# KiCad board raven.kicad_pcb (continued)
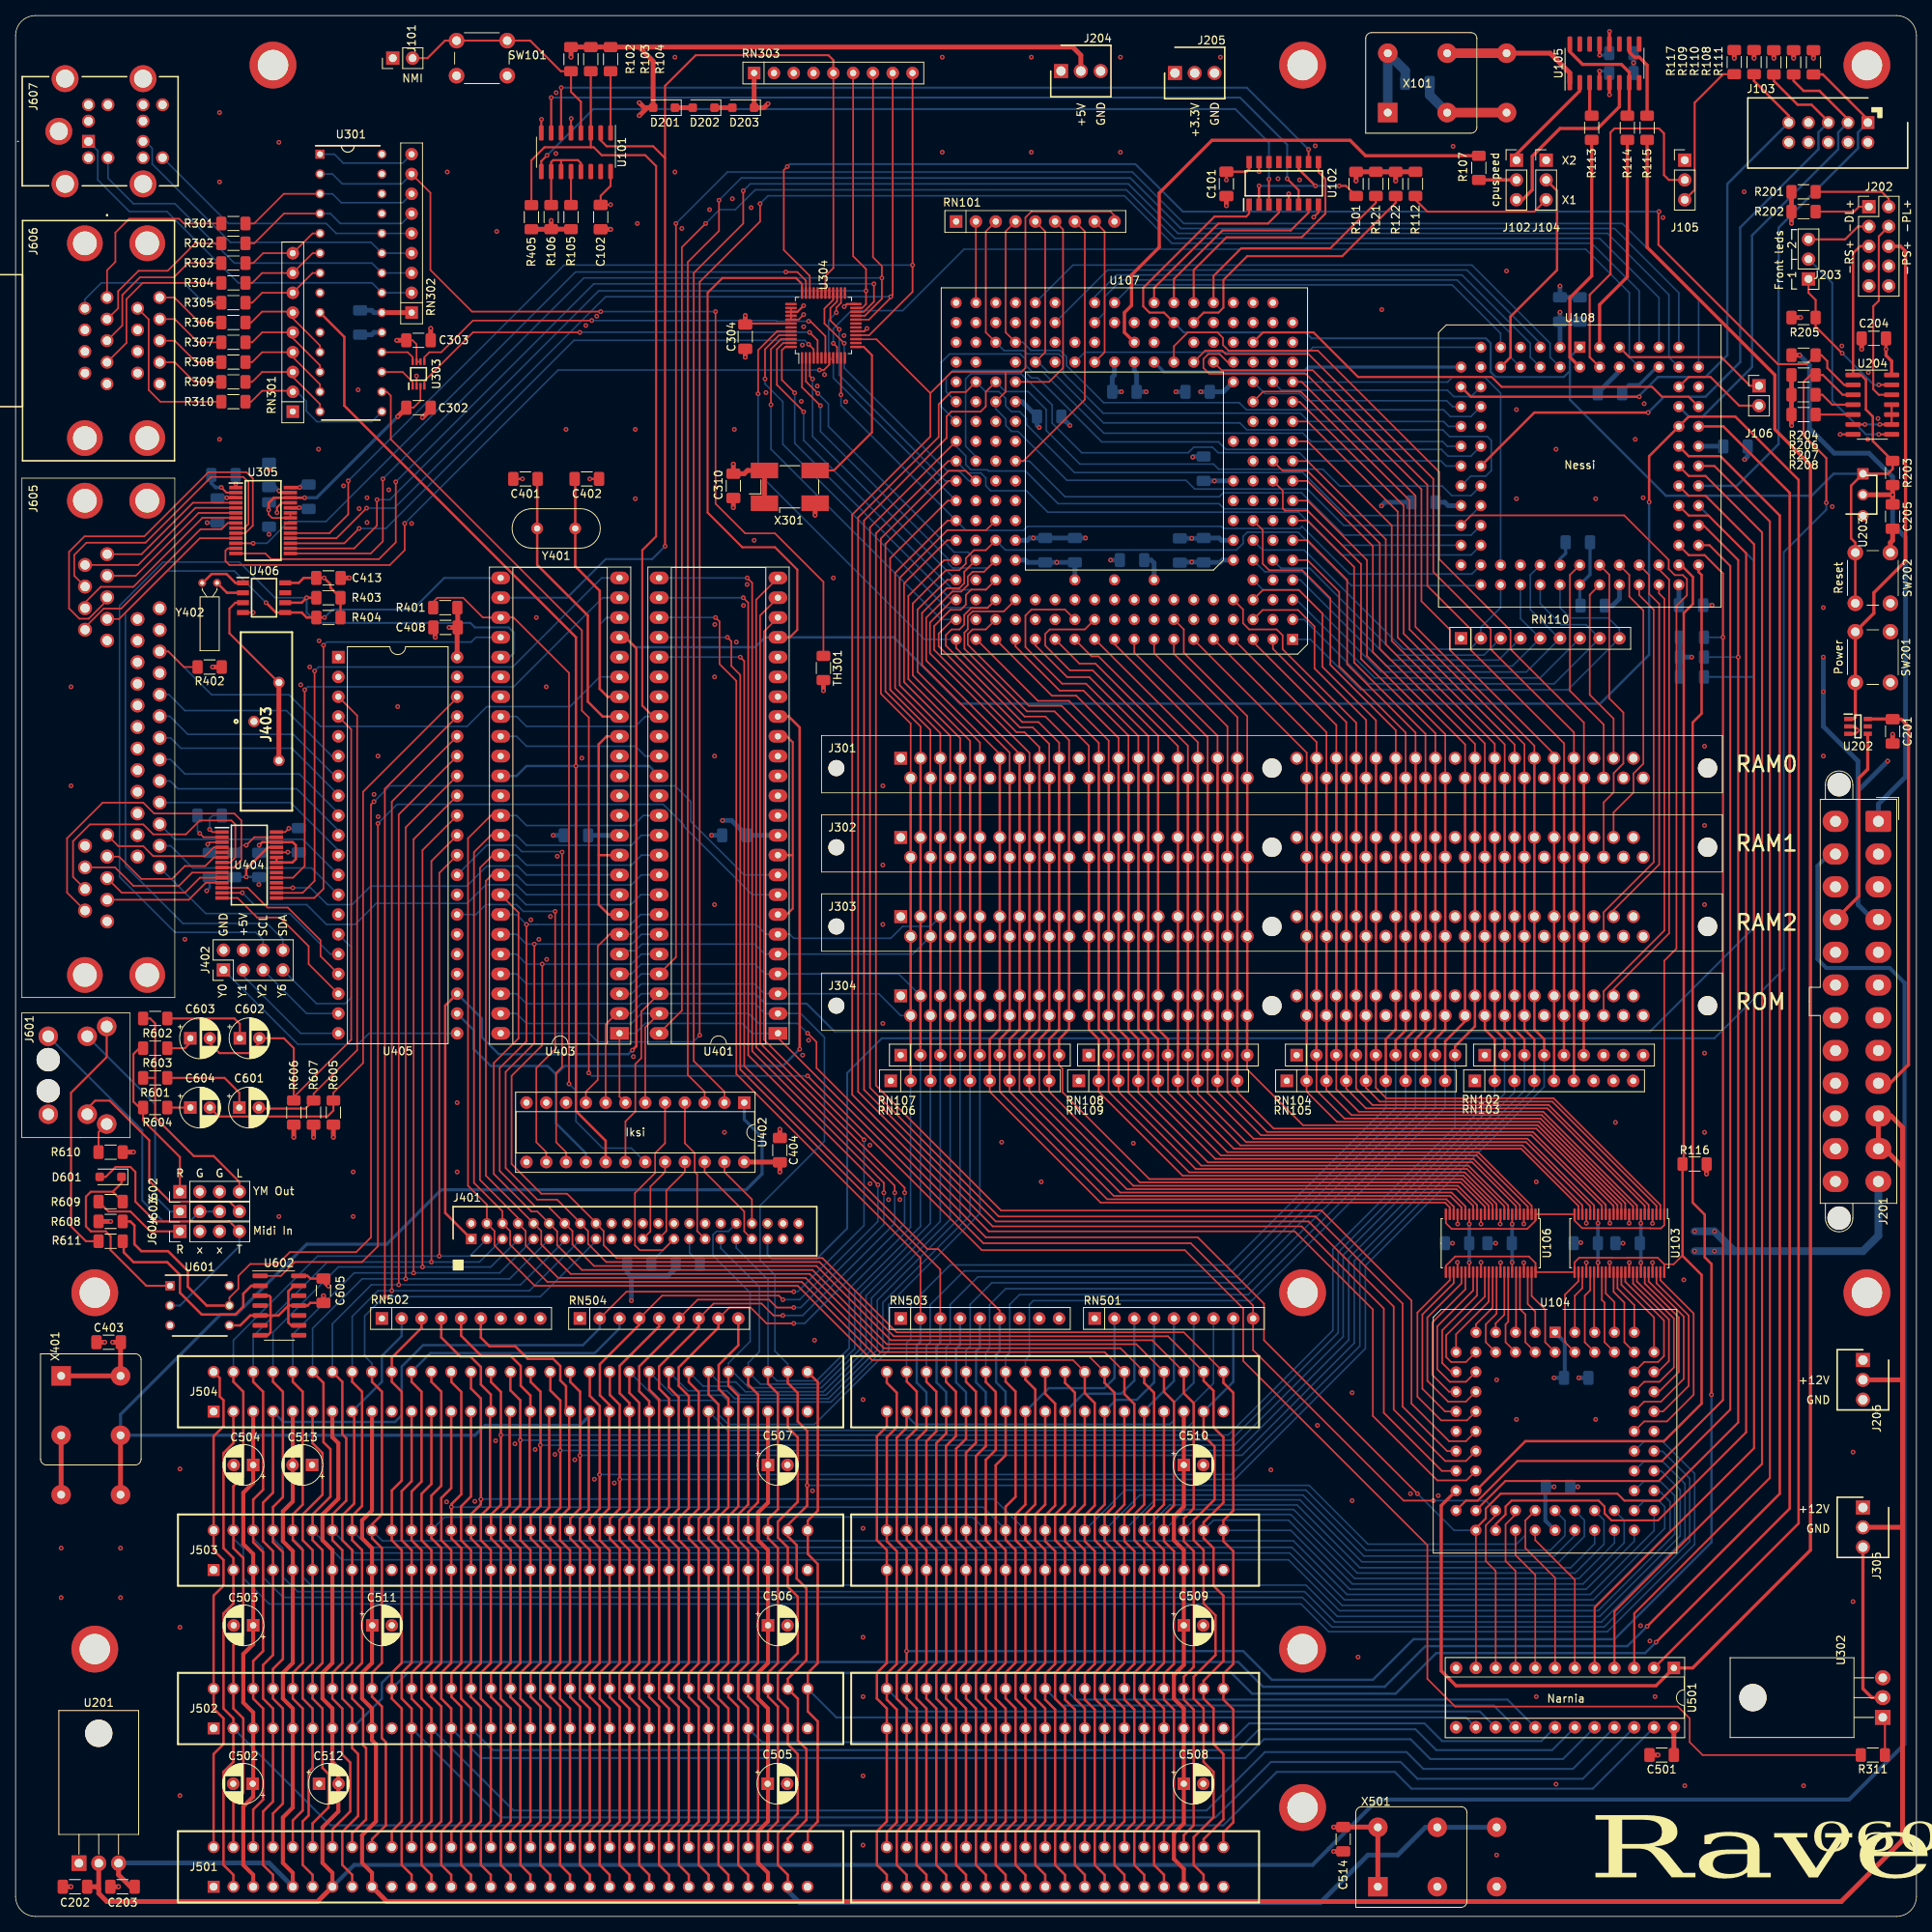
[diagram p0: board, top side]
## Routing (per net, layer and track width the routed paths; a pad name or vN(x,y) marks a point on that pad's centre or on a via; arc(x,y) is an arc through that point) (continued)
PD27: length 368
  Top w0.203: U405.34 50.04,139.7 v1(50.04,81.79)
  Top w0.305: J501.37 38.1,11.94 40.13,13.97 40.13,18.29 39.37,19.05 39.37,26.67 38.1,27.94 J502.37 38.1,31.24 39.37,32.51 39.37,46.99 38.1,48.26 38.1,51.56 40.39,53.85 40.39,59.94 39.5,60.83 39.5,68.45 J504.37
  Bottom w0.203: 207.64,54.58 208.86,55.8 211,55.8 212.83,53.98 212.83,49.02 203.02,39.22 169.82,39.22 163.3,45.75 41.86,45.75 38.1,49.5 ; J504.37 38.1,75.44 44.45,81.79 63.37,81.79 68.45,86.87 J401.11
PD28: length 368.3
  Top w0.203: v1(51.05,82.55) 51.05,138.18 U405.33
  Top w0.305: J504.36 35.56,68.58 36.83,67.31 36.83,52.83 35.56,51.56 35.56,48.26 36.83,46.99 36.83,32.51 35.56,31.24 J502.36 35.56,27.94 36.83,26.67 36.83,13.59 35.56,12.32 J501.36
  Bottom w0.203: J401.9 62.1,82.55 43.43,82.55 35.56,74.68 J504.36 ; J503.36 35.56,48.49 36.8,47.24 36.8,43.59 37.9,42.49 165.53,42.49 169.54,38.48 203.2,38.48 213.54,48.82 213.54,54.71 211.12,57.12 210.19,57.12
PD29: length 373.8
  Top w0.203: U405.32 52.2,136.78 v1(52.2,83.31)
  Top w0.305: J501.35 33.02,13.21 34.29,14.48 34.29,26.67 33.02,27.94 J502.35 33.02,31.75 34.29,33.02 34.29,46.74 33.02,48.01 33.02,52.51 34.29,53.78 34.29,67.31 33.02,68.58 J504.35
  Bottom w0.203: J504.35 33.02,74.93 41.4,83.31 60.96,83.31 64.45,86.81 J401.7 ; J503.35 33.02,48.46 34.26,47.22 34.26,43.56 36.17,41.66 165.35,41.66 169.24,37.77 203.45,37.77 214.15,48.46 214.15,55.5 211.3,58.34 208.86,58.34 207.64,57.12
PD30: length 372.8
  Top w0.203: U405.31 53.34,135.38 v1(53.34,83.95)
  Top w0.305: J504.34 30.48,68.58 31.75,67.31 31.75,54.74 30.48,53.47 30.48,48.01 31.75,46.74 31.75,34.04 30.48,32.77 J502.34 30.48,27.94 31.75,26.67 31.75,14.99 30.48,13.72 J501.34
  Bottom w0.203: J401.5 59.5,83.95 40.01,83.95 30.48,74.42 J504.34 ; J503.34 30.48,48.46 31.75,47.19 31.75,43.51 34.34,40.92 165.07,40.92 168.86,37.13 203.78,37.13 214.76,48.11 214.76,56.18 211.28,59.66 210.19,59.66
PD31: length 377.8
  Top w0.203: v1(54.36,84.71) 54.36,133.86 U405.30
  Top w0.305: J504.33 27.94,68.58 29.21,67.31 29.21,56.45 27.94,55.18 27.94,47.24 29.21,45.97 29.21,36.07 27.94,34.8 J502.33 27.94,26.67 29.21,25.4 29.21,15.86 27.94,14.59 J501.33
  Bottom w0.203: J401.3 58.26,84.71 38.74,84.71 27.94,73.91 J504.33 ; J503.33 27.94,48.49 29.21,47.22 29.21,43.41 32.54,40.08 164.9,40.08 168.45,36.53 204.19,36.53 215.39,47.73 215.39,56.81 211.26,60.93 208.91,60.93 207.64,59.66
PS2K:CLK: length 46.6
  Bottom w0.203: RN302.3 U301.22 45.72,212.09 28.07,212.09 20.45,219.71 15.11,219.71 11.85,222.97 J607.A6
PS2K:DTA: length 51.7
  Bottom w0.203: J607.A1 10.54,226.51 10.54,222.77 14.62,218.69 19.43,218.69 28.58,209.55 45.72,209.55 U301.21 RN302.2
PS2M:CLK: length 36
  Bottom w0.203: J607.B6 18.88,225.6 27.3,217.17 39.85,217.17 41.12,215.9 U301.24 RN302.5
PS2M:DTA: length 41.6
  Bottom w0.203: J607.B1 16.65,227.7 17.53,226.82 17.53,224.79 27.56,214.76 45.59,214.76 U301.23 RN302.4
PWR_LED: length 170.4
  Top w0.203: v1(99,224.47) 98.55,224.03 98.55,213.77 101.88,210.44 U304.34
  Top w0.254: 235.72,196.47 234.57,196.47 232.41,198.63 232.41,199.52 231.65,200.28 R204.1 229.76,199.12 226.07,199.12 210.75,214.45 210.75,218.62 v1(210.82,218.69)
  Bottom w0.254: v1(99,224.47) 99.31,224.79 143.64,224.79 149.73,218.69 v1(210.82,218.69)
R~{W}: length 482.6
  Top w0.203: 117.35,195.4 117.35,189.84 107.31,179.81 107.31,105.41 124.84,87.88 164.08,87.88 174.12,77.85 174.12,64.2 182.38,55.93 186.11,55.93 U104.23 ; 117.35,195.4 120.09,198.15 127,198.15 ; 117.35,195.4 110.44,202.31 107.82,202.31 U304.15 ; U106.24 183.48,88.94 184.22,88.19 188.24,88.19 188.26,88.21 190.17,88.21 190.19,88.19 193.91,88.19 194.98,89.26 U106.1 U103.24 199.99,89.26 200.96,88.29 209.7,88.29 209.72,88.27 211.08,88.27 211.49,88.68 U103.1 211.49,122.59 213.06,124.16 213.06,168.12 214.4,169.47 214.4,171.55 213.89,172.06 212.85,172.06 212.06,172.85 212.06,174.02 206.35,179.73 186.72,179.73 U108.28 ; RN101.9 140.97,218.19 140.46,218.69 130.3,218.69 129.54,217.93 129.54,198.63 129.06,198.15 127,198.15 ; 127,198.15 127,195.58 U107.N16
  Bottom w0.203: U107.N16 125.73,193.4 127.03,192.1 127.03,191.24 127.76,190.5 128.59,190.5 134.86,184.23 150.14,184.23 151.26,183.11 165.71,183.11 170.38,178.44 U108.28
SIZ0: length 276.5
  Top w0.203: U107.P17 121.89,195.55 119.99,195.55 118.41,193.98 118.41,189.79 108.08,179.45 108.08,105.79 125.35,88.52 164.97,88.52 175.51,77.98 175.51,64.61 182.97,57.15 U104.22
  Bottom w0.203: U107.P17 124.43,195.61 126.14,195.61 127,194.74 127,193.78 127.74,193.04 128.78,193.04 129.67,192.15 129.67,191.39 135.84,185.22 165.13,185.22 170.64,179.71 186.69,179.71 U108.27
SIZ1: length 276.8
  Top w0.203: U107.P16 124.46,195.58 124.46,193.7 123.8,193.04 120.04,193.04 119.43,192.43 119.43,189.66 108.84,179.07 108.84,106.05 125.73,89.15 165.86,89.15 176.78,78.23 176.78,65.02 183.39,58.42 186.05,58.42 U104.21
  Bottom w0.203: U108.25 186.72,182.27 184.23,182.27 183.01,183.49 169.85,183.49 167.69,185.65 154.33,185.65 153.67,186.31 136.53,186.31 132.21,190.63 132.21,193.29 129.9,195.61 126.97,195.61 U107.P16
TM0: length 77.7
  Bottom w0.203: U107.N18 119.38,195.58 119.38,197.46 120.24,198.32 129.34,198.32 130.3,197.36 131.13,197.36 139.33,189.15 154.3,189.15 155.27,188.19 182.91,188.19 183.77,187.33 186.69,187.33 U108.21
TM1: length 80.8
  Bottom w0.203: U107.M18 118.75,193.68 118.75,199.36 119.81,200.43 128.88,200.43 129.57,199.75 129.57,198.98 130.4,198.15 131.74,198.15 139.61,190.27 165.13,190.27 166.19,189.2 183.06,189.2 183.67,188.6 U108.20
TM2: length 81.8
  Bottom w0.203: U107.K17 123.19,187.27 121.87,188.6 121.87,197.23 122.53,197.89 128.98,197.89 132.97,193.9 132.97,191.56 136.77,187.76 150.42,187.76 151.13,188.47 153.54,188.47 154.25,187.76 164.69,187.76 165.73,186.72 182.83,186.72 183.49,186.06 U108.22
TT0: length 28
  Bottom w0.203: U108.16 184.35,193.68 183.59,194.44 165.61,194.44 164.69,195.35 160.25,195.35 U107.P03
TT1: length 28
  Bottom w0.203: U107.P02 162.36,195.78 183.67,195.78 184.48,194.97 186.72,194.97 U108.15
YM:CHA: length 62.6
  Top w0.203: U405.3 43.82,154.05 43.82,111.13 38.23,105.54 R607.1
  Top w0.254: R607.1 37.18,103.63 31.33,103.63 C601.2
YM:CHB: length 73.3
  Top w0.203: R606.1 35.69,105.11 43.05,112.47 43.05,152.27 U405.4
  Top w0.254: R606.1 35.69,111.38 34.42,112.65 C602.2 31.27,112.04 29.97,110.74 26.16,110.74 24.92,111.99 C603.2
YM:CHC: length 76.3
  Top w0.203: R605.1 40.77,105.66 44.58,109.47 44.58,144.27 56.64,156.34 U405.38
  Top w0.254: C604.2 26.06,102.62 40.01,102.62 40.77,103.38 R605.1
~{AVEC}: length 65
  Bottom w0.203: U107.T11 138.43,207.77 141.22,210.57 185.55,210.57 194.31,201.8 194.31,200.03 U108.6
~{BB}: length 10.4
  Top w0.203: RN101.2 U107.T17
~{BGR}: length 19.1
  Top w0.203: U107.Q11 139.7,200.66 139.7,216.15 RN101.8
~{BS0}: length 123
  Top w0.203: U107.Q04 155.47,199.39 154.43,200.43 153.01,200.43 152.37,199.8 152.37,198.65 153.14,197.89 165.52,197.89 180.34,183.07 180.34,168.72 184.02,165.04 184.02,162.43 197.37,149.09 J301.63
  Top w0.305: RN103.5 197.37,107.2 J304.63 J301.63
~{BS1}: length 114.4
  Top w0.203: U107.Q05 154.71,198.35 166.4,198.35 181.1,183.64 181.1,170.69 186.69,165.1 186.69,162.43 198.64,150.48 J301.64
  Top w0.305: J301.64 J304.64 198.63,115.55 RN102.5
~{BS2}: length 122.9
  Top w0.203: U107.Q06 152.6,200.86 154.79,200.86 155.22,200.43 165.84,200.43 181.86,184.4 181.86,172.47 189.23,165.1 189.23,162.56 199.91,151.88 J301.65
  Top w0.305: J301.65 J304.65 199.91,107.2 RN103.6
~{BS3}: length 127.3
  Top w0.203: J301.66 201.18,153.15 191.77,162.56 191.77,164.97 182.63,174.12 182.63,185.29 167.06,200.86 155.6,200.86 154.89,201.57 154.89,202.49 154.18,203.2 150.37,203.2 148.59,201.42 U107.Q07
  Top w0.305: J301.66 J304.66 201.17,115.55 RN102.6
~{CDIS}: length 29
  Top w0.254: U107.T05 153.67,210.44 157.23,214 168.66,214 174.5,219.84 R121.2
~{CLA}: length 100.1
  Top w0.203: RN101.7 137.16,216.15 137.16,194.57 129.28,186.69 U107.K15
  Bottom w0.203: U108.29 186.72,177.19 170.38,177.19 164.95,182.63 154.92,182.63 154.41,182.12 134.62,182.12 130.05,186.69 U107.K15
~{CLKEN}: length 40.2
  Bottom w0.406: U108.12 165.86,198.76 165.23,198.12 147.32,198.12 U107.Q08
~{CPUX2}: length 27.6
  Top w0.305: J104.2 197.74,221.36 197.74,211.2 191.77,205.23 191.77,200.03 U108.10
~{DTACK}: length 256.1
  Top w0.203: U401.46 82.55,118.36 80.26,116.08 80.26,110.11 79.5,109.35 79.5,103.25 78.23,101.98 U402.18
  Bottom w0.203: U401.46 80.27,118.36 78.99,117.08 65.54,117.08 64.26,118.36 U403.46
  Bottom w0.254: 222.96,159 222.96,173.91 U108.60 ; 222.96,159 R120.2 ; 222.96,159 222.96,126.82 209.68,113.54 105.03,113.54 101.47,117.09 96.16,117.09 94.89,118.36 U401.46
~{HDD0_LED}: length 246.3
  Top w0.254: v1(232.28,181.36) 232.28,187.07 229.36,189.99 229.36,196.85 230.25,197.74 R206.1 231.84,197.74 234.38,195.2 235.72,195.2
  Bottom w0.254: J401.39 96.45,84.9 97.03,84.33 102.74,84.33 106.68,88.27 106.68,108.2 111.12,112.65 217.93,112.65 226.82,121.54 226.82,175.01 232.28,180.47 v1(232.28,181.36)
~{HDD1_LED}: length 5.3
  Top w0.254: R207.1 231.78,195.2 233.04,193.93 235.72,193.93
~{HDD2_LED}: length 4.8
  Top w0.254: R208.1 235.72,192.66
~{IACK}: length 267.9
  Top w0.203: v1(84.71,217.17) 84.71,123.06 U401.45
  Bottom w0.203: U108.74 215.9,207.39 206.12,217.17 149.86,217.17 143.26,223.77 91.31,223.77 v1(84.71,217.17) ; U401.45 80.27,120.9 78.99,119.62 65.54,119.62 64.26,120.9 U403.45
~{IDECS}: length 255.7
  Top w0.203: U402.3 88.39,105.79 86.23,107.95 86.23,212.22 90.23,216.22 v1(90.23,220.15)
  Bottom w0.203: v1(90.23,220.15) 93.09,223.01 143,223.01 149.48,216.54 205.1,216.54 213.36,208.28 U108.75
~{IPL0}: length 22.9
  Top w0.254: U107.T08 146.05,208.92 154.3,217.17 160.66,217.17 162.05,218.57 U102.4
~{IPL1}: length 24.9
  Top w0.254: U102.7 165.86,218.57 163.58,216.28 154.81,216.28 148.59,210.06 U107.T07
~{IPL2}: length 31.1
  Top w0.254: U107.T06 151.13,211.2 155.32,215.39 164.97,215.39 168.02,218.44 168.02,222.89 167.13,223.77 U102.9
~{IPLREQ0}: length 107.2
  Top w0.254: U101.9 67.44,225.17 v1(68.17,225.91) ; U102.3 v1(160.78,222.86)
  Bottom w0.254: v1(68.17,225.91) 74.12,231.85 156.46,231.85 160.78,227.53 v1(160.78,222.86)
~{IPLREQ1}: length 109.7
  Top w0.254: U102.6 164.59,221.44 v1(163.12,222.91) ; v1(68.71,233.32) U101.7
  Bottom w0.254: v1(163.12,222.91) 163.12,227.28 157.07,233.32 v1(68.71,233.32)
~{IPLREQ2}: length 106.6
  Top w0.254: v1(70,234.59) 69.98,234.57 U101.6 ; U102.10 v1(165.86,226.67)
  Bottom w0.254: v1(70,234.59) 157.94,234.59 v1(165.86,226.67)
~{IRQ_HDD}: length 91.3
  Top w0.203: R401.2 53.57,168.63 54.1,169.16 57.4,169.16 59.94,166.62 U403.27 63.88,166.62 70.99,159.51 v1(70.99,106.81)
  Bottom w0.203: v1(70.99,106.81) 71.88,105.92 71.88,101.98 75.31,98.55 78.99,98.55 U402.19
~{IRQ_MFP}: length 127.2
  Top w0.254: 73.79,226.95 U101.3 R103.2 ; 73.79,226.95 67.85,226.95 66.17,225.27 66.17,219.61 ; 73.79,226.95 74.17,226.95 75.18,225.93 80.77,225.93 82.17,224.54 82.17,177.04 80.39,175.26 80.39,155.32 81.79,153.92 U401.32
  Bottom w0.203: U401.32 80.77,153.92 79.5,152.65 65.53,152.65 64.26,153.92 U403.32
~{IRQ_UART}: length 146.8
  Top w0.203: U304.30 103.88,210.44 104.9,211.46 RN303.5
  Top w0.254: U101.2 75.06,227.84 75.82,227.08 81.79,227.08 83.31,225.55 ; RN303.5 104.9,238.13 104.27,238.76 87.25,238.76 83.31,234.82 v1(83.31,175.77)
  Bottom w0.254: v1(83.31,175.77) 81.66,174.12 75.69,174.12 70.74,169.16 U403.26
~{ISA8}: length 165.4
  Top w0.254: U108.63 214.63,182.25 216.79,182.25 223.01,176.02 223.01,60.07 202.56,39.62 U501.5
~{ISACS}: length 167.7
  Top w0.254: U501.4 205.1,39.12 224.03,58.04 224.03,177.55 216.79,184.79 214.63,184.79 U108.65
~{ISAIO}: length 166.4
  Top w0.254: U108.64 217.93,186.06 225.04,178.94 225.04,56.26 207.64,38.86 U501.3
~{MDIS}: length 35.2
  Top w0.254: U107.S06 152.4,205.74 154.3,205.74 154.94,206.38 154.94,209.93 157.99,212.98 170.18,212.98 177.04,219.84 R122.2
~{MFP1CS}: length 261.7
  Top w0.203: v1(87.76,113.03) 87.76,209.68 95.5,217.42 v1(95.5,219.71)
  Bottom w0.203: U403.48 73.6,113.28 74.7,112.18 86.91,112.18 v1(87.76,113.03) ; U108.79 208.28,208.53 202.18,214.63 148.34,214.63 142.24,220.73 96.52,220.73 v1(95.5,219.71)
~{MFP2CS}: length 242.5
  Top w0.203: U401.48 85.47,116.2 85.47,214.12 v1(88.52,217.17)
  Bottom w0.203: U108.77 210.82,207.65 203.2,215.27 148.72,215.27 142.49,221.49 94.87,221.49 92.33,218.95 90.3,218.95 v1(88.52,217.17)
~{OPT1}: length 47.3
  Top w0.254: U108.84 201.93,200.03 201.93,208.03 204.6,210.69 204.6,228.85 205.1,229.36 210.82,229.36 211.45,228.73 211.45,223.39 212.09,222.76 J105.2
~{RB0RD}: length 29.6
  Top w0.203: J301.68 203.72,152.9 199.39,157.23 199.39,172.09 U108.44
~{RB0WR}: length 24
  Top w0.203: U108.45 201.93,169.55 201.93,156.72 204.99,153.66 J301.69
~{RB1RD}: length 39.8
  Top w0.203: U108.46 204.44,172.11 204.44,156.24 206.25,154.43 206.25,147.9 205,146.66 205,144.2 203.72,142.91 J302.68
~{RB1WR}: length 37.8
  Top w0.203: U108.48 207.01,172.09 207.01,169.32 208.81,167.51 208.81,147.88 207.54,146.61 207.54,144.17 204.99,141.62 J302.69
~{RB2RD}: length 48.5
  Top w0.203: U108.49 208.28,169.49 210.13,167.64 210.13,135.23 203.72,128.82 J303.68
~{RB2WR}: length 48.6
  Top w0.203: J303.69 204.99,129.1 210.85,134.95 210.85,168.38 209.55,169.67 209.55,172.09 U108.50
~{RB3RD}: length 58.8
  Top w0.203: U108.51 210.82,169.72 211.51,169.04 211.51,126.47 203.72,118.68 J304.68
~{RB3WR}: length 58.7
  Top w0.203: U108.52 210.82,172.8 212.12,171.5 212.12,126.11 204.99,118.99 J304.69
~{RESET}: length 532.5
  Top w0.254: U304.36 100.88,209.4 100.1,210.19 90.68,210.19 88.77,208.28 88.77,180.09 93.22,175.64 97.41,175.64 100.28,172.77 100.28,165.05 99.31,164.08 U401.21
  Top w0.305: U403.21 78.23,164.08 79.63,162.69 79.63,111.63 v1(79.12,111.13) ; v1(209.55,181.43) 209.55,187.33 U108.69 214.63,192.41 220.6,192.41 228.73,184.28 228.73,50.42 U501.2 ; J401.1 55.12,90.24 55.12,116.84 U405.23
  Bottom w0.305: v1(209.55,181.43) 209.55,161.85 203.28,155.58 121.16,155.58 112.65,164.08 U401.21 96.14,164.08 94.87,162.81 79.5,162.81 78.23,164.08 U403.21 ; v1(79.12,111.13) 78.61,110.62 61.98,110.62 59.82,112.78 59.82,115.19 U405.23
~{RSTI}: length 188.3
  Top w0.254: U102.1 158.24,218.44 157.86,218.06 153.8,218.06 144.65,208.92 144.65,206.55 145.46,205.74 147.32,205.74 U107.S07 ; 235.43,175.52 SW202.1
  Top w0.305: J202.5 236.6,214.25 235.72,213.36 235.72,197.74 236.73,197.74 237.36,197.1 237.36,193.29 238.25,192.41 238.25,189.26 R203.2 240.79,185.67 240.18,185.06 U203.1 235.46,183.54 235.46,176.78 236,176.24 SW202.1 SW202.1
  Bottom w0.254: U107.S07 149.86,203.2 165.48,203.2 166.24,202.44 188.59,202.44 189.23,201.8 189.23,198.12 189.86,197.49 198.63,197.49 199.39,198.25
  Bottom w0.305: U108.1 199.39,200.03 199.39,194.56 211.71,182.25 230.4,182.25 233.22,185.06 U203.1
~{RSTO}: length 61.6
  Top w0.254: U107.R03 160.02,203.2 166.5,203.2 172.21,197.49 189.36,197.49 190.63,196.22 209.93,196.22 211.2,194.95 214.63,194.95 U108.70
~{SAS}: length 90.3
  Top w0.203: U107.Q14 132.08,200.66 132.08,216.15 RN101.5
  Bottom w0.203: U107.Q14 131.19,199.39 132.59,197.99 133.16,197.99 139.56,191.59 157.05,191.59 157.94,190.7 183.08,190.7 183.95,189.84 188.8,189.84 189.31,189.33 189.31,185.47 188.59,184.76 186.66,184.76 U108.24
~{SNOOP}: length 26
  Top w0.203: U107.P15 132.59,196.85 134.37,198.63 134.37,216.41 RN101.6
~{TA}: length 75.8
  Bottom w0.203: U107.T14 135.64,211.84 186.82,211.84 196.85,201.8 196.85,200.03 U108.4
~{TBI}: length 64.5
  Bottom w0.203: U108.8 191.77,200.03 191.77,203.07 184.91,209.93 141.86,209.93 139.7,207.77 139.7,205.74 U107.S11
~{TCI}: length 54.8
  Bottom w0.203: U108.9 190.5,203.07 184.28,209.3 143.26,209.3 U107.T10
~{TEA}: length 69.4
  Bottom w0.203: U107.S13 140.08,211.2 186.18,211.2 195.58,201.8 U108.5
~{TIP}: length 81.4
  Top w0.203: U107.R15 127,203.2 127,216.15 RN101.4
  Bottom w0.203: U108.17 186.69,192.41 184.05,192.41 183.18,193.27 157.89,193.27 156.97,194.18 139.57,194.18 134.82,198.93 134.82,200.05 133.99,200.89 130.25,200.89 129.21,201.93 U107.R15
~{TRA}: length 52.9
  Bottom w0.203: U107.Q12 137.16,200.66 165.8,200.66 166.43,201.3 U108.11
~{TS}: length 81.8
  Top w0.203: U107.R16 124.46,203.2 124.46,216.15 RN101.3
  Bottom w0.203: U108.18 183.82,191.14 183.18,191.77 165.89,191.77 164.82,192.84 139.52,192.84 134.39,197.97 134.39,199.87 133.83,200.43 129.77,200.43 129.34,200.86 126.8,200.86 U107.R16
~{UART_CS}: length 122.6
  Top w0.203: U304.10 105.38,201.32 v1(104.9,201.8)
  Bottom w0.203: U108.80 207.01,200.03 207.01,208.28 201.42,213.87 121.67,213.87 113.79,205.99 107.22,205.99 104.9,203.67 v1(104.9,201.8)
~{YMCS}: length 256
  Top w0.203: v1(93.34,221.36) 93.34,217.17 87,210.82 87,109.73 90.93,105.79 U402.2
  Bottom w0.203: v1(93.34,221.36) 94.23,222.25 142.75,222.25 149.1,215.9 204.22,215.9 212.09,208.03 212.09,200.03 U108.76
Net-(C601-Pad1): length 11.9
  Top w0.254: C601.1 28.7,105.66 26.8,107.57 R601.2
Net-(C602-Pad1): length 11.4
  Top w0.254: R602.2 28.07,115.19 28.77,114.49 C602.1
Net-(C603-Pad1): length 3.8
  Top w0.254: R603.2 21.72,111.38 22.42,112.08 C603.1
Net-(C604-Pad1): length 3
  Top w0.254: R604.2 C604.1
Net-(D201-K): length 2.3
  Top w0.61: D201.1 D202.2
Net-(D202-K): length 2.3
  Top w0.61: D202.1 D203.2
Net-(D601-K): length 26.8
  Top w0.254: 12.47,92.96 R609.2 ; 12.47,92.96 9.65,92.96 9.02,92.33 9.02,88.52 9.65,87.88 11.56,87.88 12.19,87.25 12.19,85.47 16.76,80.9 U601.1 ; 12.47,92.96 13.59,94.08 D601.1 13.46,94.87
Net-(J101-Pin_2): length 31.4
  Top w0.254: U101.4 72.52,232.79 71.25,234.06 R102.2 69.94,236.7 66.01,240.63 56.57,240.63 ; 56.53,240.67 56.57,240.63 ; 56.57,240.63 55.08,240.63 52.83,238.38 J101.2
Net-(J102-Pin_2): length 4.8
  Top w0.406: R107.2 J102.2
Net-(J104-Pin_3): length 18.5
  Top w0.254: J104.3 194.82,218.69 181.1,218.69 179.58,220.22 R112.2
Net-(J105-Pin_3): length 19.6
  Top w0.254: R117.2 219.05,236.32 215.39,232.66 215.39,221.49 J105.3
Net-(J106-Pin_1): length 20
  Top w0.254: J106.1 222.5,196.35 218.82,200.03 207.01,200.03 U108.81
Net-(J106-Pin_2): length 12.3
  Top w0.254: J106.2 221.1,193.81 217.42,197.49 214.63,197.49 U108.73
Net-(J201-PS_ON#): length 25.5
  Top w0.406: U202.4 237.6,147.17 236.47,146.05 236.47,130.89 J201.16
Net-(J203-Pin_1): length 19.3
  Top w0.254: v1(234.31,200.53) 230.91,203.94 R205.1 230.91,207.37 230,208.28 J203.1 ; U204.13 v1(239.01,196.47)
  Bottom w0.254: v1(234.31,200.53) 238.38,196.47 v1(239.01,196.47)
Net-(J203-Pin_2): length 28.8
  Top w0.254: U204.8 v1(239.01,190.12)
  Bottom w0.254: J203.2 233.04,209.55 233.04,194.44 237.36,190.12 v1(239.01,190.12)
Net-(J401-/DMACK): length 3.8
  Bottom w0.203: J401.29 86.45,85.12 87.86,83.72 87.86,83.69
Net-(J601-RB): length 28.1
  Bottom w0.254: J603.1 19.81,90.42 17.91,92.33 17.91,104.19 J601.2B
Net-(J601-SB): length 37.6
  Bottom w0.254: J601.1B 16.26,100.84 16.26,91.82 18.92,89.15 22.35,89.15 J603.2 J603.3
Net-(J601-TB): length 29.6
  Top w0.254: J601.5B 9.19,103.63 10.21,104.65 12.06,104.65 17.15,99.57 17.15,94.36 19.81,91.69 27.43,91.69 J603.4
Net-(R611-Pad1): length 26
  Top w0.305: 31.31,80.9 30.23,80.9 29.21,79.88 29.21,78.23 28.19,77.22 23.88,77.22 21.08,80.01 21.08,82.3 19.46,83.92 15.14,83.92 13.87,85.19 13.87,86.61
Net-(RN301A-R1.2): length 21
  Top w0.203: R310.2 30.23,194.31 31.62,195.71 35.43,195.71 RN301.2
  Bottom w0.203: RN301.2 36.07,195.58 37.29,194.36 37.29,193.12 38.66,191.74 45.69,191.74 U301.15
Net-(RN301B-R2.2): length 13.1
  Top w0.203: U301.14 39.05,194 35.56,197.49 RN301.3 31.62,198.12 30.35,196.85 R309.2
Net-(RN301C-R3.2): length 13.1
  Top w0.203: R308.2 30.35,199.39 31.62,200.66 RN301.4 35.56,200.03 39.05,196.54 U301.13
Net-(RN301D-R4.2): length 13.1
  Top w0.203: U301.12 39.05,198.97 35.56,202.46 RN301.5 31.62,203.2 30.35,201.93 R307.2
Net-(RN301E-R5.2): length 13.2
  Top w0.203: U301.11 39.05,201.51 35.56,205 RN301.6 35.43,205.87 31.62,205.87 30.23,204.47 R306.2
Net-(RN301F-R6.2): length 11.1
  Top w0.203: U301.7 38.1,210.82 RN301.7 31.62,208.28 30.35,207.01 R305.2
Net-(RN301G-R7.2): length 11.1
  Top w0.203: R304.2 30.35,209.55 31.62,210.82 RN301.8 38.1,213.36 U301.6
Net-(RN301H-R8.2): length 11.1
  Top w0.203: U301.5 38.1,215.9 RN301.9 31.75,213.36 30.48,212.09 R303.2
Net-(RN302E-R5.2): length 23.9
  Top w0.203: R302.2 30.62,214.63 34.43,218.44 U301.4
  Bottom w0.203: U301.4 40.39,218.44 41.66,217.17 49.53,217.17 RN302.6
Net-(RN302F-R6.2): length 23.8
  Top w0.203: R301.2 30.61,217.17 34.42,220.98 U301.3
  Bottom w0.203: U301.3 40.64,220.98 41.78,219.84 49.66,219.84 RN302.7
Net-(RN302G-R7.2): length 117
  Top w0.203: v1(89.79,205.87) 89.79,181.23 93.6,177.42 97.41,177.42 103.63,171.2 TH301.1 ; v1(75.06,205.87) 58.55,205.87 53.21,211.2 53.21,221.11 RN302.8
  Bottom w0.203: RN302.8 49.53,222.25 41.91,222.25 40.64,223.52 U301.2 ; v1(89.79,205.87) v1(75.06,205.87)
Net-(RN302H-R8.2): length 12.7
  Bottom w0.203: RN302.9 49.66,224.92 42.04,224.92 40.89,226.06 U301.1
Net-(U101-I1): length 12.1
  Top w0.254: U101.11 69.98,225.3 ; U101.13 72.52,224.92 72.14,225.3 68.96,225.3 68.71,225.04 U101.10 R106.2
Net-(U101-I2): length 4.3
  Top w0.254: R105.2 U101.12
Net-(U101-I4): length 7.9
  Top w0.254: R104.2 U101.1
Net-(U102-1A): length 19.3
  Top w0.254: R101.2 170.66,222 v1(169.8,222)
  Top w0.305: v1(166.75,222) 164.59,224.16 U102.11 ; v1(159.51,222) U102.2
  Bottom w0.254: v1(169.8,222) v1(159.51,222)
Net-(U204-Pad10): length 7.5
  Top w0.254: U204.11 U204.10 U204.9 v1(239.14,191.39) ; v1(237.24,191.39) 235.72,191.39
  Bottom w0.254: v1(239.14,191.39) v1(237.24,191.39)
Net-(U301-RC5/SDO): length 313.9
  Top w0.203: v1(73.53,108.2) 73.53,153.8 72.64,154.69 72.64,164.97 48.13,189.48 48.13,195.07 47.62,195.58 U301.16 ; v1(101.6,107.82) 123.95,85.47 149.99,85.47 157.48,77.98 157.48,71.25 181.1,47.63 181.1,30.48 184.66,26.92 213.23,26.92 214.76,25.4 214.76,22.35 216.41,20.7 R311.2
  Bottom w0.203: v1(101.6,107.82) 73.91,107.82 v1(73.53,108.2)
Net-(U302-D): length 21.2
  Top w0.406: J305.3 236.98,29.21 238.12,28.07 U302.2
Net-(U302-G): length 4.9
  Top w0.254: U302.1 239.8,25.25 R311.1
Net-(U303-A1): length 57.6
  Top w0.203: v1(101.73,204.63) 101.97,204.63 103.88,202.71 U304.7 ; U303.5 52.44,200.01 53.09,200.66 54.61,200.66 58.67,204.72 v1(73.91,204.72)
  Bottom w0.203: v1(101.73,204.63) 97.67,204.63 97.57,204.72 v1(73.91,204.72)
Net-(U303-A2Y): length 56.4
  Top w0.203: v1(101.85,203.2) 102.88,202.17 U304.5 102.87,199.91 ; U303.4 52.44,196.97 58.67,203.2 v1(72.39,203.2)
  Bottom w0.203: v1(72.39,203.2) 72.42,203.23 101.83,203.23 v1(101.85,203.2)
Net-(U305-C1+): length 2.5
  Top w0.406: U305.28 36.43,183.3 v1(36.45,183.31)
  Bottom w0.457: v1(36.45,183.31) 36.82,183.68 C306.2
Net-(U305-C1-): length 2.4
  Top w0.406: 36.36,180.72 36.34,180.7 U305.24
  Bottom w0.457: C306.1 37.43,180.72 36.36,180.72
  vias: v1(36.4,180.72)
Net-(U305-C2+): length 1.6
  Top w0.406: U305.1 28.24,183.3 v1(28.24,183.79)
  Bottom w0.457: v1(28.24,183.79) 28.23,183.81 C308.2
Net-(U305-C2-): length 4.7
  Top w0.254: v1(26.39,183.31) 27.06,182.65 U305.2
  Bottom w0.457: v1(26.39,183.31) 25.65,183.31 25.11,183.86 C308.1
Net-(U305-V+): length 3
  Top w0.406: v1(33.78,182.88) 34.02,182.65 U305.27
  Bottom w0.457: v1(33.78,182.88) 33.31,183.35 C307.1
Net-(U305-V-): length 2.4
  Top w0.406: U305.3 27.08,182 v1(27.08,181.99)
  Bottom w0.457: C309.1 26,181.99 v1(27.08,181.99)
Net-(U401-RC): length 27.7
  Top w0.254: 99.69,136.14 U401.10 ; U401.16 98.93,151.38 99.69,150.62 99.69,129.29 98.93,128.52 U401.7
Net-(U403-RC): length 29.5
  Top w0.305: U403.10 74.8,136.14 ; U403.7 76.07,128.52 74.8,129.79 74.8,150.37 75.82,151.38 U403.16
Net-(U403-X1): length 36.1
  Top w0.305: C401.2 66.91,184.35 Y401.2 66.91,173.37 73.41,166.88 73.41,155.83 75.31,153.92 U403.17
Net-(U403-X2): length 31.2
  Top w0.305: U403.18 75.95,156.46 74.93,157.48 74.93,170.05 71.79,173.19 Y401.1 71.79,184.33 C402.2
Net-(U404-C1+): length 3.1
  Top w0.203: v1(35.05,139.57) 34.58,139.1 U404.28
  Bottom w0.203: C409.2 36.28,139.57 v1(35.05,139.57)
Net-(U404-C1-): length 2.9
  Top w0.203: U404.24 34.9,136.5 v1(34.92,136.53)
  Bottom w0.203: v1(34.92,136.53) 36.28,136.53 C409.1
Net-(U404-C2+): length 4.8
  Top w0.203: v1(24.89,139.45) 25.24,139.1 U404.1
  Bottom w0.203: v1(24.89,139.45) 24.89,140.84 25.27,141.22 C411.2
Net-(U404-C2-): length 5.5
  Top w0.203: v1(23.62,138.94) 24.11,138.45 26.47,138.45
  Bottom w0.203: v1(23.62,138.94) 23.33,139.23 C411.1
Net-(U404-V+): length 6.2
  Top w0.203: 33.47,138.45 30.63,138.45 v1(29.59,137.41)
  Bottom w0.203: C410.1 29.04,137.41 v1(29.59,137.41)
Net-(U404-V-): length 3.2
  Top w0.203: v1(24.64,137.54) 24.9,137.8 U404.3
  Bottom w0.203: C412.1 24.64,136.69 v1(24.64,137.54)
Net-(U406-VBAT): length 24.2
  Top w0.254: U406.3 28.19,168.53 27.43,167.77 27.43,164.59 33.73,158.29 J403.3
  Top w0.61: J403.2 J403.3
Net-(U406-X1): length 6.2
  Top w0.305: U406.1 28.19,171.07 27.05,172.21 25.15,172.21 24,171.07 Y402.1
Net-(U406-X2): length 3.8
  Top w0.305: Y402.2 27.11,169.8 U406.2

## Copper pours and planes (outline as drawn; the poured copper is in the pictures)
+3.3V on In2.Cu: 29.46,174.24 29.46,189.48 42.67,189.48 42.67,199.64 55.37,199.64 55.37,211.07 82.04,211.07 82.04,241.55 242.06,241.55 242.06,223.77 220.47,223.77 220.47,207.26 194.44,207.26 194.44,200.03 207.26,200.03 207.26,202.95 220.47,202.95 220.47,169.16 207.14,169.16 207.14,172.34 196.98,172.34 196.98,166.62 212.6,166.62 212.6,155.19 237.74,155.19 237.74,144.27 241.05,144.27 241.05,130.18 220.47,130.18 220.47,80.26 172.21,80.26 172.21,85.34 102.36,85.34 102.36,174.24
+5V on In2.Cu: 242.7,223.77 242.7,155.19 212.6,155.19 212.6,166.62 196.98,166.62 196.98,172.34 207.14,172.34 207.14,169.16 220.47,169.16 220.47,202.95 207.26,202.95 207.26,200.03 194.44,200.03 194.44,207.26 220.47,207.26 220.47,223.77
+5V on In2.Cu: 1.27,241.55 1.27,1.52 242.7,1.65 242.7,155.19 237.74,155.19 237.74,144.27 241.05,144.27 241.05,130.18 220.47,130.18 220.47,80.26 172.21,80.26 172.21,85.34 102.36,85.34 102.36,173.99 29.46,173.99 29.46,189.48 42.67,189.48 42.67,199.64 55.37,199.64 55.37,211.07 82.04,211.07 82.04,241.55
GND on In1.Cu, In3.Cu, In4.Cu: -0.51,244.09 244.6,244.09 244.6,-1.02 -0.51,-1.02

## Text on the board
B.Silkscreen: IOA7 | IOA6 | IOA2 | IOA1 | IOA0 | TCO | TBO | TAO | Revision.A1 | www.github.com/agranlund/raven | Raven.68060
F.Silkscreen: YM Out | Midi In | X2 | X1 | +12V | GND | R | G | x | L | T | NMI | Y0 | Y1 | +5V | Y2 | SCL | Y6 | SDA | +3.3V | cpuspeed | Front leds | 2 | 1 | -DL+ | -RS+ | -PL+ | -PS+ | Reset | Power | RAM0 | RAM1 | RAM2 | ROM | 060 | Raven
